# KiCad board kiwi_36.kicad_pcb
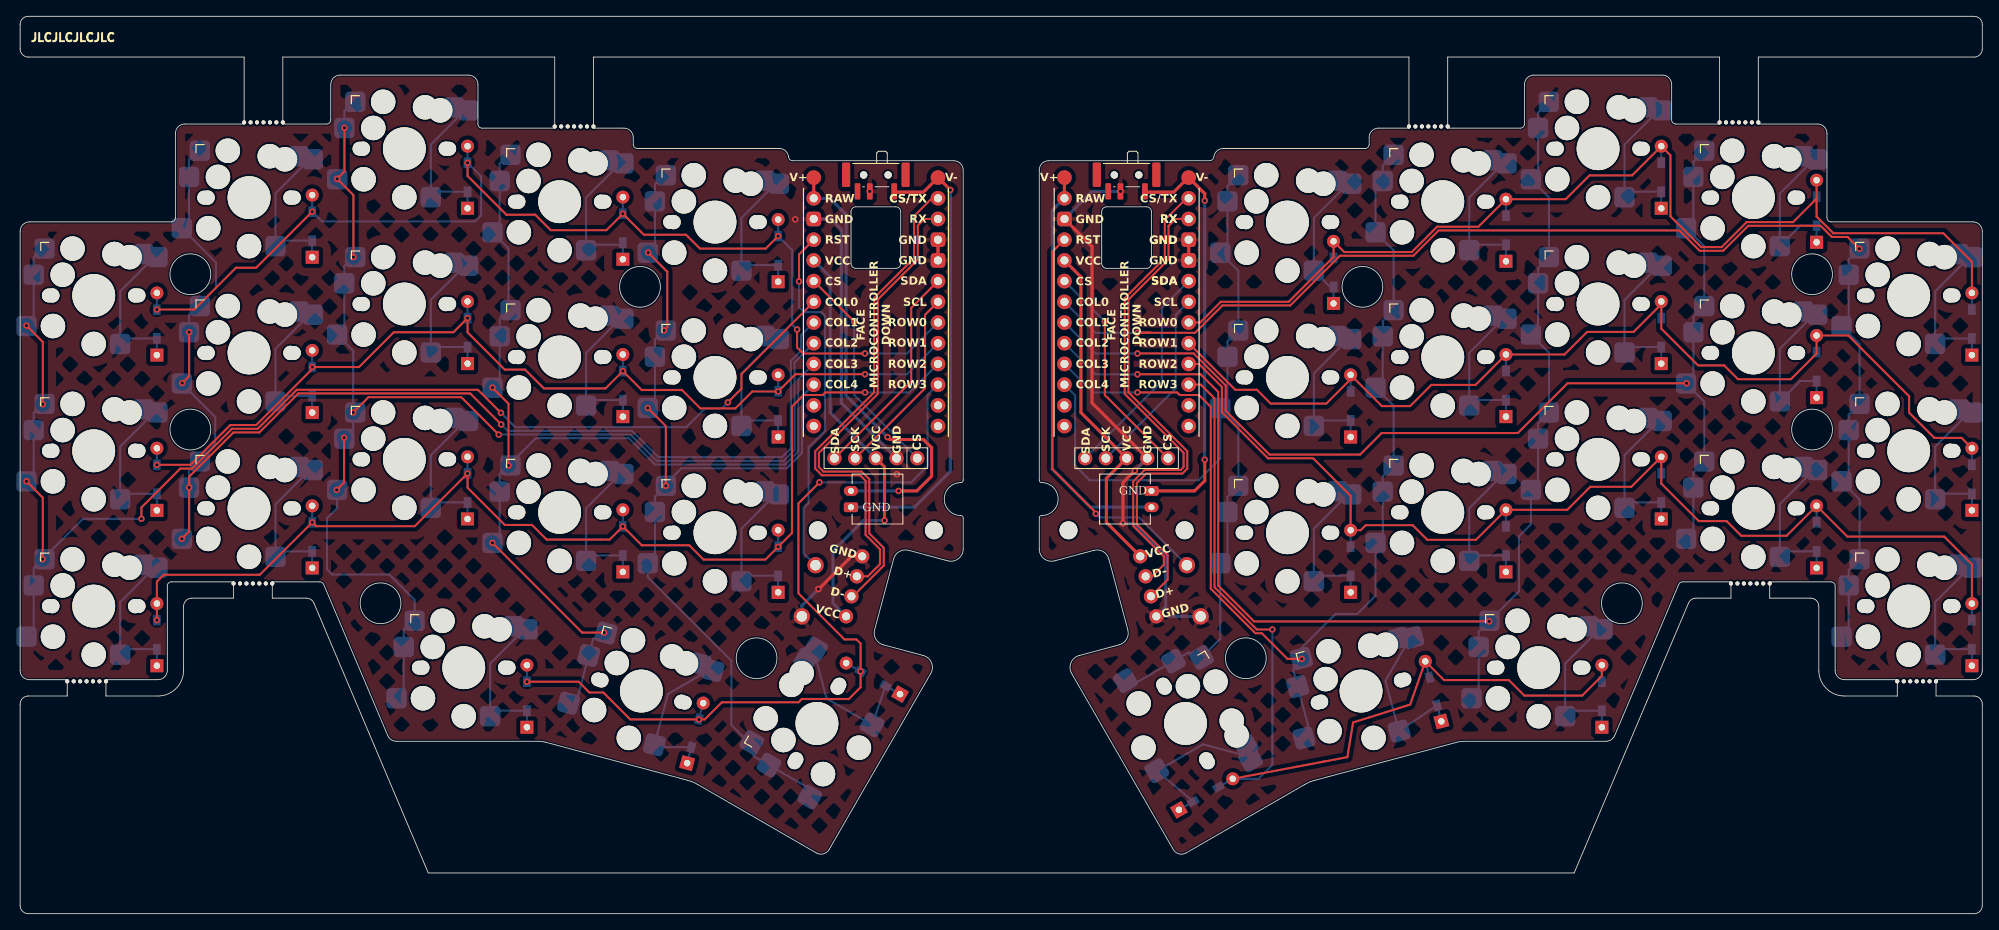
[diagram p0: board, top side]
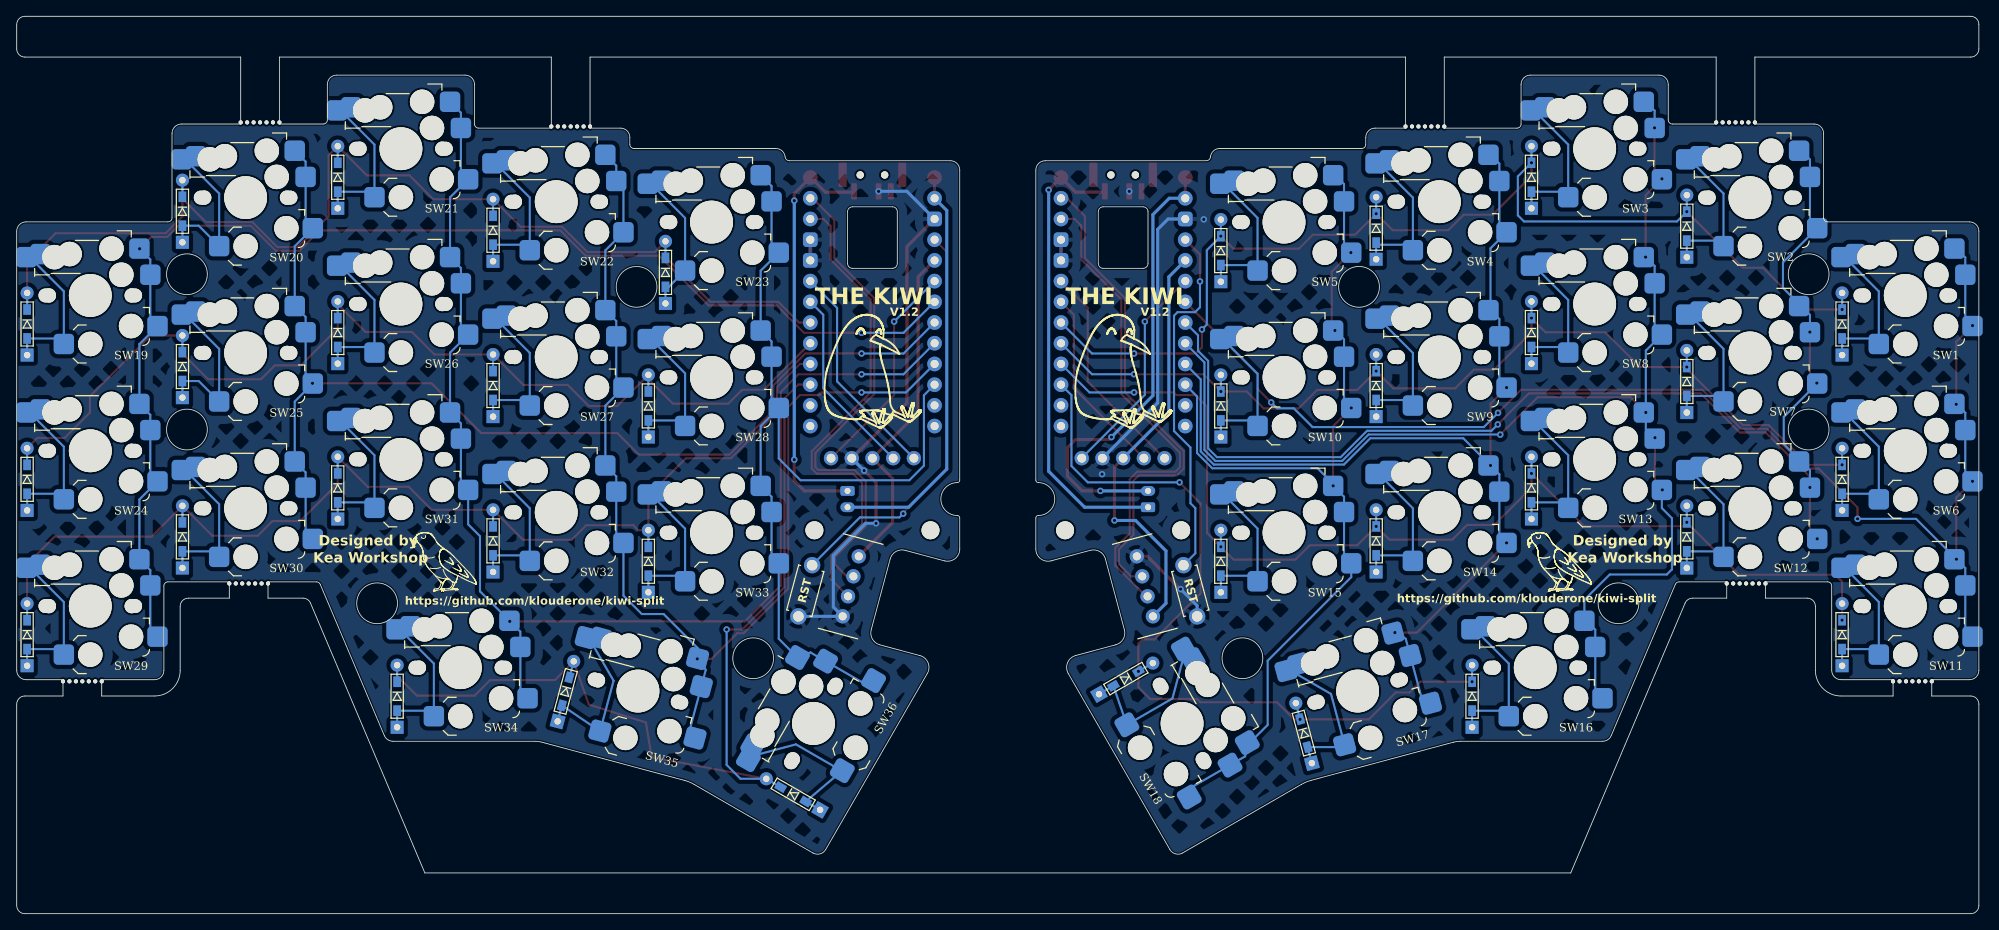
[diagram p1: board, bottom side, seen from below]

Outline 240.67 x 110.06 mm; copper layers: Top, Bottom. Coordinates in mm from the lower left corner of the outline.
Outline path: circle c20.88,78.43 r2.5 ; circle c20.88,59.38 r2.5 ; circle c44.2,38.07 r2.5 ; circle c76.03,76.88 r2.5 ; circle c90.33,31.33 r2.5 ; circle c150.34,31.33 r2.5 ; circle c164.64,76.88 r2.5 ; circle c196.46,38.07 r2.5 ; circle c219.79,78.43 r2.5 ; circle c219.79,59.38 r2.5 ; 0,109.06 0,106.06 arc(0.29,105.35) 1,105.06 27.47,105.06 27.47,96.85 20.2,96.85 arc(19.39,96.51) 19.05,95.7 19.05,85.35 arc(18.9,85) 18.55,84.85 1.15,84.85 arc(0.34,84.51) 0,83.7 0,29.85 arc(0.34,29.04) 1.15,28.7 5.78,28.7 5.78,26.7 1,26.7 arc(0.29,26.41) 0,25.7 0,1 arc(0.29,0.29) 1,0 239.67,0 arc(240.38,0.29) 240.67,1 240.67,25.7 arc(240.38,26.41) 239.67,26.7 234.99,26.7 234.99,28.7 239.52,28.7 arc(240.33,29.04) 240.67,29.85 240.67,83.7 arc(240.33,84.51) 239.52,84.85 222.12,84.85 arc(221.76,85) 221.62,85.35 221.62,95.7 arc(221.28,96.51) 220.47,96.85 213.2,96.85 213.2,105.06 239.67,105.06 arc(240.38,105.35) 240.67,106.06 240.67,109.06 arc(240.38,109.77) 239.67,110.06 1,110.06 arc(0.29,109.77) 0,109.06 ; 10.52,26.7 10.52,28.7 16.9,28.7 arc(17.71,29.04) 18.05,29.85 18.05,40.2 arc(18.2,40.55) 18.55,40.7 26.18,40.7 26.18,38.7 21.05,38.7 arc(20.34,38.41) 20.05,37.7 20.05,29.85 arc(19.13,27.62) 16.9,26.7 10.52,26.7 ; 30.93,40.7 30.93,38.7 35.11,38.7 arc(35.67,38.53) 36.03,38.09 50.06,5 190.61,5 204.63,38.09 arc(205,38.53) 205.55,38.7 209.84,38.7 209.84,40.7 203.9,40.7 arc(203.62,40.62) 203.44,40.39 195.58,21.85 arc(195.16,21.34) 194.52,21.15 177.11,21.15 arc(176.67,21.12) 176.24,21.04 158.77,16.36 arc(158.15,16.14) 157.57,15.86 143,7.45 arc(142.13,7.34) 141.44,7.87 128.98,29.46 arc(128.89,30.79) 129.89,31.66 134.8,32.98 arc(135.71,33.68) 135.86,34.81 133.53,43.51 arc(132.83,44.42) 131.7,44.57 126.89,43.28 arc(125.59,43.54) 125,44.73 125,48.54 arc(125.09,48.75) 125.3,48.84 arc(127.32,50.85) 125.3,52.87 arc(125.09,52.96) 125,53.17 125,91.2 arc(125.34,92.01) 126.15,92.35 145.92,92.35 arc(146.26,92.48) 146.42,92.8 arc(146.79,93.55) 147.56,93.85 164.97,93.85 arc(165.32,94) 165.47,94.35 165.47,95.2 arc(165.8,96.01) 166.62,96.35 170.35,96.35 170.35,105.06 70.32,105.06 70.32,96.35 74.05,96.35 arc(74.86,96.01) 75.2,95.2 75.2,94.35 arc(75.35,94) 75.7,93.85 93.11,93.85 arc(93.88,93.55) 94.25,92.8 arc(94.41,92.48) 94.75,92.35 114.52,92.35 arc(115.33,92.01) 115.67,91.2 115.67,53.17 arc(115.58,52.96) 115.37,52.87 arc(113.35,50.85) 115.37,48.84 arc(115.58,48.75) 115.67,48.53 115.67,44.73 arc(115.08,43.54) 113.78,43.28 108.97,44.57 arc(107.83,44.42) 107.13,43.51 104.8,34.81 arc(104.95,33.68) 105.87,32.98 110.78,31.66 arc(111.78,30.79) 111.69,29.46 99.23,7.87 arc(98.53,7.34) 97.67,7.45 83.1,15.86 arc(82.51,16.14) 81.89,16.36 64.43,21.04 arc(64,21.12) 63.56,21.15 46.15,21.15 arc(45.51,21.34) 45.09,21.85 37.23,40.39 arc(37.04,40.62) 36.77,40.7 30.93,40.7 ; 32.22,96.85 32.22,105.06 65.57,105.06 65.57,96.35 56.65,96.35 arc(56.3,96.5) 56.15,96.85 56.15,101.7 arc(55.81,102.51) 55,102.85 39.25,102.85 arc(38.44,102.51) 38.1,101.7 38.1,97.35 arc(37.95,97) 37.6,96.85 32.22,96.85 ; 101.91,86.1 arc(102.08,86.52) 102.51,86.7 107.41,86.7 arc(107.83,86.52) 108.01,86.1 108.01,79.75 arc(107.83,79.33) 107.41,79.15 102.51,79.15 arc(102.08,79.33) 101.91,79.75 101.91,86.1 ; 132.66,86.1 arc(132.83,86.52) 133.26,86.7 138.16,86.7 arc(138.58,86.52) 138.76,86.1 138.76,79.75 arc(138.58,79.33) 138.16,79.15 133.26,79.15 arc(132.83,79.33) 132.66,79.75 132.66,86.1 ; 175.1,105.06 208.45,105.06 208.45,96.85 203.07,96.85 arc(202.71,97) 202.57,97.35 202.57,101.7 arc(202.23,102.51) 201.42,102.85 185.67,102.85 arc(184.85,102.51) 184.52,101.7 184.52,96.85 arc(184.37,96.5) 184.02,96.35 175.1,96.35 175.1,105.06 ; 214.59,40.7 214.59,38.7 219.62,38.7 arc(220.33,38.41) 220.62,37.7 220.62,29.85 arc(221.54,27.62) 223.77,26.7 230.24,26.7 230.24,28.7 223.77,28.7 arc(222.95,29.04) 222.62,29.85 222.62,40.2 arc(222.47,40.55) 222.12,40.7 214.59,40.7

## Placement (name value [footprint] x y rotation side)
BT1  Breakaway Tabs  [Breakaway_Tabs]  29.85 97.05 0 top
BT2  Breakaway Tabs  [Breakaway_Tabs]  212.22 40.5 0 top
BT2#2  Breakaway Tabs  [Breakaway_Tabs]  67.95 96.55 0 top
BT2#3  Breakaway Tabs  [Breakaway_Tabs]  28.55 40.5 0 top
BT2#4  Breakaway Tabs  [Breakaway_Tabs]  232.62 28.5 0 top
BT2#5  Breakaway Tabs  [Breakaway_Tabs]  8.15 28.5 0 top
D1  D  [SMD SOD123 and Leaded]  16.78 72.32 270 bottom
D2  D  [SMD SOD123 and Leaded]  35.83 84.32 270 bottom
D3  D  [SMD SOD123 and Leaded]  54.88 90.32 270 bottom
D4  D  [SMD SOD123 and Leaded]  73.93 84.07 270 bottom
D5  D  [SMD SOD123 and Leaded]  92.98 81.32 270 bottom
D6  D  [SMD SOD123 and Leaded]  16.78 53.27 270 bottom
D7  D  [SMD SOD123 and Leaded]  35.83 65.27 270 bottom
D8  D  [SMD SOD123 and Leaded]  54.88 71.27 270 bottom
D9  D  [SMD SOD123 and Leaded]  73.93 64.77 270 bottom
D10  D  [SMD SOD123 and Leaded]  92.98 62.27 270 bottom
D11  D  [SMD SOD123 and Leaded]  16.78 34.22 270 bottom
D12  D  [SMD SOD123 and Leaded]  35.83 46.21 270 bottom
D13  D  [SMD SOD123 and Leaded]  54.88 52.22 270 bottom
D14  D  [SMD SOD123 and Leaded]  73.93 45.72 270 bottom
D15  D  [SMD SOD123 and Leaded]  92.98 43.22 270 bottom
D16  D  [SMD SOD123 and Leaded]  62.16 26.67 270 bottom
D17  D  [SMD SOD123 and Leaded]  82.8 22.15 255 bottom
D18  D  [SMD SOD123 and Leaded]  104.62 28.83 330 bottom
D19  D  [SMD SOD123 and Leaded]  239.39 72.32 270 bottom
D20  D  [SMD SOD123 and Leaded]  220.34 86.15 270 bottom
D21  D  [SMD SOD123 and Leaded]  201.29 90.32 270 bottom
D22  D  [SMD SOD123 and Leaded]  182.24 83.82 270 bottom
D23  D  [SMD SOD123 and Leaded]  161.1 78.65 270 bottom
D24  D  [SMD SOD123 and Leaded]  239.39 53.27 270 bottom
D25  D  [SMD SOD123 and Leaded]  220.34 67.1 270 bottom
D26  D  [SMD SOD123 and Leaded]  201.29 71.27 270 bottom
D27  D  [SMD SOD123 and Leaded]  182.24 64.77 270 bottom
D28  D  [SMD SOD123 and Leaded]  163.19 62.27 270 bottom
D29  D  [SMD SOD123 and Leaded]  239.39 34.22 270 bottom
D30  D  [SMD SOD123 and Leaded]  220.34 46.21 270 bottom
D31  D  [SMD SOD123 and Leaded]  201.29 52.22 270 bottom
D32  D  [SMD SOD123 and Leaded]  182.24 45.72 270 bottom
D33  D  [SMD SOD123 and Leaded]  163.19 43.22 270 bottom
D34  D  [SMD SOD123 and Leaded]  194.01 26.67 270 bottom
D35  D  [SMD SOD123 and Leaded]  173.34 27.27 285 bottom
D36  D  [SMD SOD123 and Leaded]  145.43 14.64 210 bottom
Display1  nice!view  [nice_view]  104.96 72.37 0 top
Display2  nice!view  [nice_view]  135.71 72.37 0 top
J3  S2B-PH-K-S(LF)(SN)  [PH_S2B-PH2-K_1x02_P2.00mm_Horizontal]  138.76 50.85 270 top
J4  S2B-PH-K-S(LF)(SN)  [PH_S2B-PH2-K_1x02_P2.00mm_Horizontal]  101.91 50.85 90 top
NOREF  -  [M2_Hole_TH_7mm_Standoff]  112.08 47.02 0 top
NOREF#2  -  [M2_Hole_TH_7mm_Standoff]  97.84 47.02 0 top
NOREF#3  -  [M2_Hole_TH_7mm_Standoff]  142.83 47.02 0 top
NOREF#4  -  [M2_Hole_TH_7mm_Standoff]  128.59 47.02 0 top
rBT1  Breakaway Tabs  [Breakaway_Tabs]  210.82 97.05 0 top
rBT2  Breakaway Tabs  [Breakaway_Tabs]  172.72 96.55 0 top
REF**  -  [Kea Workshop Logo]  51.46 43.12 180 bottom
REF**#2  -  [Kea Workshop Logo]  188.21 43.12 180 bottom
REF**#3  -  [Kea Workshop Logo]  188.21 43.12 180 bottom
RSW1  SW_PUSH  [ResetSW_1side]  96.72 39.6 75 bottom
RSW2  SW_PUSH  [ResetSW_1side]  143.95 39.6 105 bottom
SW1  SW_PUSH  [SW_MXchocGLP_HS_1u]  9.03 75.82 0 bottom
SW2  SW_PUSH  [SW_MXchocGLP_HS_1u]  28.08 87.82 0 bottom
SW3  SW_PUSH  [SW_MXchocGLP_HS_1u]  47.13 93.82 0 bottom
SW4  SW_PUSH  [SW_MXchocGLP_HS_1u]  66.18 87.32 0 bottom
SW5  SW_PUSH  [SW_MXchocGLP_HS_1u]  85.23 84.82 0 bottom
SW6  SW_PUSH  [SW_MXchocGLP_HS_1u]  9.03 56.77 0 bottom
SW7  SW_PUSH  [SW_MXchocGLP_HS_1u]  28.08 68.77 0 bottom
SW8  SW_PUSH  [SW_MXchocGLP_HS_1u]  47.13 74.77 0 bottom
SW9  SW_PUSH  [SW_MXchocGLP_HS_1u]  66.18 68.27 0 bottom
SW10  SW_PUSH  [SW_MXchocGLP_HS_1u]  85.23 65.77 0 bottom
SW11  SW_PUSH  [SW_MXchocGLP_HS_1u]  9.03 37.72 0 bottom
SW12  SW_PUSH  [SW_MXchocGLP_HS_1u]  28.08 49.71 0 bottom
SW13  SW_PUSH  [SW_MXchocGLP_HS_1u]  47.13 55.72 0 bottom
SW14  SW_PUSH  [SW_MXchocGLP_HS_1u]  66.18 49.22 0 bottom
SW15  SW_PUSH  [SW_MXchocGLP_HS_1u]  85.23 46.72 0 bottom
SW16  SW_PUSH  [SW_MXchocGLP_HS_1u]  54.41 30.17 0 bottom
SW17  SW_PUSH  [SW_MXchocGLP_HS_1u]  76.2 27.31 345 bottom
SW18  SW_PUSH  [SW_MXchocGLP_HS_1u]  97.73 23.33 60 bottom
SW19  SW_PUSH  [SW_MXchocGLP_HS_1u]  231.64 75.82 0 bottom
SW20  SW_PUSH  [SW_MXchocGLP_HS_1u]  212.59 87.82 0 bottom
SW21  SW_PUSH  [SW_MXchocGLP_HS_1u]  193.54 93.82 0 bottom
SW22  SW_PUSH  [SW_MXchocGLP_HS_1u]  174.49 87.32 0 bottom
SW23  SW_PUSH  [SW_MXchocGLP_HS_1u]  155.44 84.82 0 bottom
SW24  SW_PUSH  [SW_MXchocGLP_HS_1u]  231.64 56.77 0 bottom
SW25  SW_PUSH  [SW_MXchocGLP_HS_1u]  212.59 68.77 0 bottom
SW26  SW_PUSH  [SW_MXchocGLP_HS_1u]  193.54 74.77 0 bottom
SW27  SW_PUSH  [SW_MXchocGLP_HS_1u]  174.49 68.27 0 bottom
SW28  SW_PUSH  [SW_MXchocGLP_HS_1u]  155.44 65.77 0 bottom
SW29  SW_PUSH  [SW_MXchocGLP_HS_1u]  231.64 37.72 0 bottom
SW30  SW_PUSH  [SW_MXchocGLP_HS_1u]  212.59 49.71 0 bottom
SW31  SW_PUSH  [SW_MXchocGLP_HS_1u]  193.54 55.72 0 bottom
SW32  SW_PUSH  [SW_MXchocGLP_HS_1u]  174.49 49.22 0 bottom
SW33  SW_PUSH  [SW_MXchocGLP_HS_1u]  155.44 46.72 0 bottom
SW34  SW_PUSH  [SW_MXchocGLP_HS_1u]  186.26 30.17 0 bottom
SW35  SW_PUSH  [SW_MXchocGLP_HS_1u]  164.47 27.31 15 bottom
SW36  SW_PUSH  [SW_MXchocGLP_HS_1u]  142.94 23.33 300 bottom
SW37  PCM12SMTR  [MSK-12C02 Toggle Switch]  104.96 90.27 180 top
SW38  PCM12SMTR  [MSK-12C02 Toggle Switch]  135.71 90.27 180 top
U1  Universal_Pro_Micro  [Pro_Micro_Footprint_Kiwi]  104.96 73.77 0 top
U2  Universal_Pro_Micro  [Pro_Micro_Footprint_Kiwi]  135.71 73.77 0 top
USB1  USB_C  [USB C Daugher Board#2]  102.4 46.34 345 top
USB2  USB_C  [USB C Daugher Board]  138.27 46.34 195 top

## Library data of the parts
BT1 BT2 BT2#2-BT2#5 rBT1 rBT2 = -: Description: Mounting Hole without connection
D1-D36 = -: ki_fp_filters: TO-???* *_Diode_* *SingleDiode* D_*
Display1 Display2 = -: Datasheet: https://nicekeyboards.com/docs/nice-view/pinout-schematic; ki_fp_filters: nice*
J3 J4 = -: MF: JST Sales; MAXIMUM_PACKAGE_HEIGHT: 4.8mm; PACKAGE: None; PRICE: None; MP: S2B-PH-K-S_LF__SN_; AVAILABILITY: Unavailable; DESCRIPTION: Connector Header Through Hole, Right Angle 2 position
RSW1 RSW2 SW1-SW36 = -: Description: Push button switch, generic, two pins
SW37 SW38 = -: STANDARD: Manufacturer Recommendation; MANUFACTURER: C&K
U1 U2 = -: Datasheet: https://nicekeyboards.com/docs/nice-nano/pinout-schematic; Description: Symbol for an nicekeyboards nice!nano

## Footprints (pads in the part's own frame, mm; a bottom-side part is the same pattern mirrored in y, then rotated)
Breakaway_Tabs
  round 0.5 hole 0.5 unplated: (-2.375,0) (-1.583,0) (-0.792,0) (0,0) (0.792,0) (1.583,0) (2.375,0)
M2_Hole_TH_7mm_Standoff
  round 2.2 hole 2.2 unplated: (0,0)
MSK-12C02 Toggle Switch
  rrect 1x3 smd: (-3.65,-0.35) (3.65,-0.35)
  round 0.9 hole 0.9 unplated: (-1.5,-0.33) (1.5,-0.33)
  rrect 0.7x2 smd: 1(-2.25,1.68) 2(0.75,1.68) 3(2.25,1.68)
nice_view
  round 1.753 hole 1.092: 1(-5.08,-16.51) 2(-2.54,-16.51) 3(0,-16.51) 4(2.54,-16.51) 5(5.08,-16.51)
PH_S2B-PH2-K_1x02_P2.00mm_Horizontal
  rrect 1.2x1.75 hole 0.75: 1(-1,0)
  oval 1.2x1.75 hole 0.75: 2(1,0)
Pro_Micro_Footprint_Kiwi
  round 1.8 hole 1: 1(7.62,13.97) 2(7.62,11.43) 5(7.62,3.81) 6(7.62,1.27) 7(7.62,-1.27) 8(7.62,-3.81) 9(7.62,-6.35) 10(7.62,-8.89) 11(7.62,-11.43) 12(7.62,-13.97) 13(-7.62,13.97) 15(-7.62,8.89) 16(-7.62,6.35) 17(-7.62,3.81) 18(-7.62,1.27) 19(-7.62,-1.27) 20(-7.62,-3.81) 21(-7.62,-6.35) 22(-7.62,-8.89) 23(-7.62,-11.43) 24(-7.62,-13.97)
  rrect 1.8x1.8 hole 1: 3(7.62,8.89) 4(7.62,6.35) 14(-7.62,11.43)
  round 1.8 smd: 25(-7.62,16.51) 26(7.62,16.51)
ResetSW_1side
  round 2 hole 1.3: 1(3.25,0) 2(-3.25,0)
SMD SOD123 and Leaded
  oval 1.6x1.6 hole 0.8: 1(-3.81,0)
  rect 1.3x0.95 smd: 1(-1.775,0) 2(1.775,0)
  rect 1.6x1.6 hole 0.8: 2(3.81,0)
SW_MXchocGLP_HS_1u
  round 1.7 hole 1.7 unplated: (-5.5,0) (5.5,0)
  round 1.75 hole 1.75 unplated: (-5.08,0) (5.08,0)
  round 3 hole 3 unplated: (-5,3.75) (-3.81,-2.54) (-2.6,-5.75) (0,5.95) (2.54,-5.08) (4.4,-4.7)
  round 5.25 hole 5.25 unplated: (0,0)
  rrect 2.5x2.5 smd: 1(-8.245,3.75) 1(-7.36,-2.54) 1(-6.025,-5.75) 2(3.245,5.95) 2(6.09,-5.08) 2(7.825,-4.7)
USB C Daugher Board
  round 1.75 hole 1: 1(1.5,9.81) 2(1.5,7.27) 3(1.5,4.73) 4(1.5,2.19)
USB C Daugher Board#2
  round 1.75 hole 1: 1(1.5,-2.19) 2(1.5,-4.73) 3(1.5,-7.27) 4(1.5,-9.81)

## Nets
GND: Display1.4 RSW1.2 SW37.2 U1.3 U1.4 U1.14 USB1.1
GNDR: Display2.4 RSW2.2 SW38.2 U2.3 U2.4 U2.14 USB2.1
VCC: Display1.3 U1.16 USB1.4
VCCR: Display2.3 U2.16 USB2.4
B+: J4.2 U1.13 U1.25
B+R: J3.2 U2.13 U2.25
B-: J4.1 SW37.1 U1.26
B-R: J3.1 SW38.1 U2.26
col0: SW1.1 SW6.1 SW11.1 U1.18
col0R: SW19.1 SW24.1 SW29.1 U2.18
col1: SW2.1 SW7.1 SW12.1 U1.19
col1R: SW20.1 SW25.1 SW30.1 U2.19
col2: SW3.1 SW8.1 SW13.1 SW16.1 U1.20
col2R: SW21.1 SW26.1 SW31.1 SW34.1 U2.20
col3: SW4.1 SW9.1 SW14.1 SW17.1 U1.21
col3R: SW22.1 SW27.1 SW32.1 SW35.1 U2.21
col4: SW5.1 SW10.1 SW15.1 SW18.1 U1.22
col4R: SW23.1 SW28.1 SW33.1 SW36.1 U2.22
CSL: Display1.5 U1.17
CSR: Display2.5 U2.17
DL+: U1.1 USB1.2
DL-: U1.2 USB1.3
DR+: U2.2 USB2.2
DR-: U2.1 USB2.3
MOSI: Display1.1 U1.5
MOSIR: Display2.1 U2.5
reset: RSW1.1 U1.15
resetR: RSW2.1 U2.15
row0: D1.1 D2.1 D3.1 D4.1 D5.1 U1.7
row0R: D19.1 D20.1 D21.1 D22.1 D23.1 U2.7
row1: D6.1 D7.1 D8.1 D9.1 D10.1 U1.8
row1R: D24.1 D25.1 D26.1 D27.1 D28.1 U2.8
row2: D11.1 D12.1 D13.1 D14.1 D15.1 U1.9
row2R: D29.1 D30.1 D31.1 D32.1 D33.1 U2.9
row3: D16.1 D17.1 D18.1 U1.10
row3R: D34.1 D35.1 D36.1 U2.10
SCK: Display1.2 U1.6
SCKR: Display2.2 U2.6
Net-(D1-A): D1.2 SW1.2
Net-(D2-A): D2.2 SW2.2
Net-(D3-A): D3.2 SW3.2
Net-(D4-A): D4.2 SW4.2
Net-(D5-A): D5.2 SW5.2
Net-(D6-A): D6.2 SW6.2
Net-(D7-A): D7.2 SW7.2
Net-(D8-A): D8.2 SW8.2
Net-(D9-A): D9.2 SW9.2
Net-(D10-A): D10.2 SW10.2
Net-(D11-A): D11.2 SW11.2
Net-(D12-A): D12.2 SW12.2
Net-(D13-A): D13.2 SW13.2
Net-(D14-A): D14.2 SW14.2
Net-(D15-A): D15.2 SW15.2
Net-(D16-A): D16.2 SW16.2
Net-(D17-A): D17.2 SW17.2
Net-(D18-A): D18.2 SW18.2
Net-(D19-A): D19.2 SW19.2
Net-(D20-A): D20.2 SW20.2
Net-(D21-A): D21.2 SW21.2
Net-(D22-A): D22.2 SW22.2
Net-(D23-A): D23.2 SW23.2
Net-(D24-A): D24.2 SW24.2
Net-(D25-A): D25.2 SW25.2
Net-(D26-A): D26.2 SW26.2
Net-(D27-A): D27.2 SW27.2
Net-(D28-A): D28.2 SW28.2
Net-(D29-A): D29.2 SW29.2
Net-(D30-A): D30.2 SW30.2
Net-(D31-A): D31.2 SW31.2
Net-(D32-A): D32.2 SW32.2
Net-(D33-A): D33.2 SW33.2
Net-(D34-A): D34.2 SW34.2
Net-(D35-A): D35.2 SW35.2
Net-(D36-A): D36.2 SW36.2

Pads without a net: SW37 3; SW38 3; U1 11 12 23 24; U2 11 12 23 24

## Via types
v1: diameter 0.8, hole 0.4, Top to Bottom, 76 vias

## Routing (per net, layer and track width the routed paths; a pad name or vN(x,y) marks a point on that pad's centre or on a via; arc(x,y) is an arc through that point)
GND: length 49.1
  Top w0.254: 95.91,36.46 RSW1.2
  Top w0.381: 97.96,39.81 98.25,40.09 ; 97.96,39.81 101.98,43.83 USB1.1 ; 97.96,39.81 v1(97.91,39.81) ; 104.21,88.74 104.1,88.35 104.21,88.36 ; U1.3 U1.4
  Bottom w0.381: v1(97.91,39.81) 95.88,37.78 RSW1.2 ; U1.4 112.46,80.12 ; 107.1,56.26 100.73,62.64 100.73,83.92 99.44,85.2 U1.14
  vias: v1(95.07,85.15) v1(104.21,88.59) v1(107.55,53.9)
GNDR: length 74.3
  Top w0.254: 139.7,36.13 USB2.1 139.37,36.46
  Top w0.381: 137.85,56.26 131.48,62.64 131.48,81.82 U2.14 ; U2.4 U2.3 ; v1(136.73,54.34) 135.27,52.88 v1(135.27,47.88) 135.27,47.72
  Bottom w0.381: v1(134.96,88.59) 131.48,88.59 U2.14 ; RSW2.2 144.78,36.47 USB2.1 140.51,37.62 140.51,43.93 136.56,47.88 v1(135.27,47.88) ; v1(136.73,54.34) Display2.4 138.25,56.26
VCC: length 51.5
  Top w0.381: Display1.3 106.02,54.8 v1(106.02,48.23)
  Bottom w0.381: 104.56,56.26 99.36,61.47 99.36,78.11 U1.16 ; USB1.4 99.71,38.07 99.71,44.5 103.43,48.23 v1(106.02,48.23)
VCCR: length 42.2
  Top w0.381: USB2.4 133.24,47.98 133.24,53.39 Display2.3 130.11,61.47 130.11,78.11 U2.16
B+: length 56.8
  Top w0.381: v1(107.75,51.85) 110,51.85 111.8,53.65 111.8,57.15 110.8,58.15 106.7,58.15 v1(106.4,58.45) ; U1.25 U1.13
  Bottom w0.381: v1(107.75,51.85) J4.2 ; U1.13 99.3,87.74 101.31,85.74 101.31,63.54 v1(106.4,58.45)
B+R: length 50.5
  Top w0.381: U2.25 U2.13
  Bottom w0.381: J3.2 131.27,49.85 126.6,54.53 126.6,86.25 U2.13
B-: length 56.8
  Top w0.254: 107.21,88.74 107.26,88.69
  Top w0.381: v1(114.1,88.77) U1.26 110.79,88.49 107.21,88.49
  Bottom w0.381: v1(114.1,88.77) 114.1,54.26 109.69,49.85 J4.1
B-R: length 52
  Top w0.254: 138.04,88.67 137.96,88.74
  Top w0.381: J3.1 144.05,51.85 145.3,53.1 v1(145.3,55.69) ; v1(145.3,87.45) 145.3,88.32 U2.26 143.28,90.28 141.49,88.49 137.96,88.49 ; 137.96,87.99 137.96,88.74
  Bottom w0.381: v1(145.3,55.69) v1(145.3,87.45)
col0: length 165.4
  Top w0.254: v1(86.8,62.71) 88.47,64.38 88.47,66.17 U1.18 ; v1(58.98,61.43) 56.14,64.26 33.93,64.26 29.14,59.48 25.97,59.48 21.09,54.6 19.65,54.6 14.88,49.82 v1(14.88,48.43) ; v1(0.78,53.03) 2.78,51.03 2.78,43.5 v1(2.75,43.47) 2.82,43.47 ; v1(2.78,62.48) 2.78,70.13 v1(0.78,72.13)
  Bottom w0.254: v1(86.8,62.71) 86.07,61.98 84.03,61.98 81.72,59.68 60.72,59.68 v1(58.98,61.43) ; SW1.1 v1(0.78,72.13) 0.84,72.13 1.67,72.96 SW1.1 1.67,80.49 2.75,81.57 ; SW11.1 1.67,34.86 SW11.1 1.67,42.39 v1(2.75,43.47) 7.71,48.43 v1(14.88,48.43) ; SW6.1 v1(0.78,53.03) 0.79,53.03 1.67,53.91 SW6.1 1.67,61.44 2.71,62.48 v1(2.78,62.48) 2.78,62.55 2.75,62.52
col0R: length 161.5
  Top w0.254: v1(225.6,81.55) 224.15,83 222.21,83 220.84,84.37 211.95,84.37 208.88,81.3 206.01,81.3 203.51,83.8 173.98,83.8 170.88,80.7 161.88,80.7 155.78,74.6 147.46,74.6 144.11,71.24 v1(137.05,71.24) 137.08,71.28 138.68,71.28
  Bottom w0.254: SW24.1 225.62,69.85 SW19.1 224.28,72.96 SW19.1 224.28,80.24 225.6,81.55 v1(225.6,81.55) 225.6,81.55 SW19.1 ; U2.18 131.89,71.24 v1(137.05,71.24) ; SW29.1 224.28,34.86 SW29.1 224.28,42.14 SW29.1 225.62,50.8 SW24.1 224.28,53.91 SW24.1 224.28,61.19 225.55,62.45
col1: length 155.1
  Top w0.254: v1(19.83,45.98) 20.73,46.88 v1(20.73,52.28) 20.73,53.6 26.16,59.02 29.33,59.02 34.12,63.81 55.2,63.81 v1(59,60) ; v1(20.73,71.33) 20.73,65.93 v1(19.88,65.08)
  Bottom w0.254: v1(59,60) 59.78,59.23 75.04,59.23 78.27,55.99 93.46,55.99 94.53,57.07 94.53,67.8 95.78,69.04 95.78,70.94 U1.19 ; SW7.1 19.78,65.08 v1(19.88,65.08) 19.88,64.98 23.93,60.93 23.93,57.59 20.72,54.38 20.72,52.29 v1(20.73,52.28) 20.72,52.27 SW12.1 ; 21.8,93.57 20.72,92.49 SW2.1 20.72,84.96 SW2.1 24.03,79.88 24.03,76.75 20.72,73.44 20.72,71.34 v1(20.73,71.33) 20.72,71.32 SW7.1
col1R: length 140.7
  Top w0.254: v1(204.4,65.05) 189.8,65.05 183.7,58.95 167,58.95 164.35,56.3 153.25,56.3 147.87,61.68 147.87,64.79 143.93,68.72 137.06,68.72 v1(137.05,68.7)
  Bottom w0.254: v1(137.05,68.7) 131.89,68.7 U2.19 ; SW30.1 205.23,46.85 SW30.1 205.23,54.13 SW30.1 206.57,62.8 SW25.1 204.38,65.05 v1(204.4,65.05) 204.4,65.07 205.23,65.91 SW25.1 205.23,73.19 SW25.1 206.57,74.53 206.6,74.55 206.57,74.58 206.57,81.85 SW20.1 205.23,84.96 SW20.1 205.23,92.24 SW20.1
col2: length 160.5
  Top w0.254: v1(58.7,58.75) 54.11,63.35 42.73,63.35 v1(40.85,61.47) ; v1(39.73,58.38) 39.73,52.88 v1(38.83,51.98) ; v1(39.78,96.38) 39.78,91.03 v1(38.88,90.13) 40.88,88.13 v1(40.88,80.53)
  Bottom w0.254: 48.14,35.92 47.05,34.84 SW16.1 47.05,27.31 SW16.1 ; SW3.1 39.77,96.37 v1(39.78,96.38) 39.77,96.39 39.77,98.49 40.85,99.57 ; 40.85,80.52 40.88,80.55 v1(40.88,80.53) 40.86,80.53 39.77,79.44 SW8.1 39.77,71.91 SW8.1 40.85,69.05 v1(40.85,61.47) 40.85,59.35 39.88,58.38 v1(39.73,58.38) 39.73,58.23 SW13.1 ; 38.83,52.03 v1(38.83,51.98) 38.88,51.98 SW13.1 38.88,49.74 37.65,48.5 37.65,42.23 38.27,41.6 45.27,41.6 48.39,38.49 SW16.1 ; U1.20 94.99,67.61 94.99,56.88 93.64,55.54 78.09,55.54 74.85,58.77 58.72,58.77 v1(58.7,58.75) ; SW3.1 v1(38.88,90.13) 38.94,90.13
col2R: length 160.9
  Top w0.254: v1(137.05,66.15) 144.8,66.15 146.95,64 146.95,40.24 151.34,35.85 v1(180.2,35.85)
  Bottom w0.254: SW21.1 186.18,98.24 SW21.1 186.18,90.96 SW21.1 187.52,87.85 SW26.1 186.18,79.19 SW26.1 186.18,71.91 SW26.1 187.52,68.8 SW31.1 186.18,60.14 SW31.1 186.18,52.86 SW31.1 185.3,47.76 183.85,46.3 183.85,39.54 SW34.1 180.2,35.89 v1(180.2,35.85) 180.16,35.85 178.9,34.59 SW34.1 178.9,27.31 SW34.1 ; U2.20 131.9,66.15 v1(137.05,66.15)
col3: length 129.5
  Top w0.254: v1(71.63,34.48) 68.93,34.48 v1(57.93,45.48) ; v1(57.93,64.52) 59.9,62.55 v1(59.9,54.97)
  Bottom w0.254: v1(57.93,64.52) 58.82,65.41 SW9.1 58.82,72.94 59.9,74.02 59.9,81.6 57.93,83.57 58.82,84.46 SW4.1 58.82,91.99 59.9,93.07 ; 57.93,45.47 SW14.1 v1(57.93,45.48) 57.94,45.48 58.82,46.36 SW14.1 58.82,53.89 v1(59.9,54.97) 63.24,58.32 74.64,58.32 77.88,55.08 93.83,55.08 95.44,56.69 95.44,65.53 U1.21 ; 71.63,34.48 v1(71.63,34.48) 70.3,33.72 SW17.1 68.35,26.44
col3R: length 138
  Top w0.254: v1(137.05,63.93) 141.91,63.93 142.22,63.61 144.58,63.61 146.04,62.15 146.04,39.87 151.51,34.4 152.3,34.4 155.44,31.25 v1(157.2,31.25)
  Bottom w0.254: U2.21 131.58,63.93 v1(137.05,63.93) ; SW22.1 167.13,91.74 SW22.1 166.25,88.98 SW22.1 168.47,81.35 SW27.1 167.13,72.69 SW27.1 167.13,65.41 SW27.1 168.47,62.3 SW32.1 167.13,53.64 SW32.1 167.13,46.36 SW32.1 166.25,39.01 164,36.75 161.32,36.75 157.16,32.59 v1(157.2,31.25) SW35.1 ; 158.1,22.63 SW35.1 156.15,29.91 156.92,31.23
col4: length 117.6
  Top w0.254: v1(76.98,62.02) 79.2,59.8 v1(79.2,52.47) ; v1(78.98,71.53) 79.38,71.93 79.38,78.73 v1(77.03,81.08)
  Bottom w0.254: 78.95,90.57 77.87,89.49 SW5.1 77.87,81.96 77.03,81.12 v1(77.03,81.08) 76.99,81.08 SW5.1 ; SW18.1 96.53,15.52 SW18.1 90.01,19.29 89.61,20.77 87.23,23.15 87.23,31.03 76.98,41.28 SW15.1 77.87,43.86 SW15.1 77.87,51.14 v1(79.2,52.47) 79.2,52.72 81.11,54.63 94.02,54.63 95.9,56.5 95.9,63.44 U1.22 ; 78.95,71.52 78.98,71.55 v1(78.98,71.53) 78.96,71.53 77.87,70.44 SW10.1 77.87,62.91 v1(76.98,62.02)
col4R: length 110.7
  Bottom w0.254: U2.22 129.4,63.58 129.4,54.95 131.19,53.16 144.53,53.16 147.2,55.83 SW28.1 ; SW28.1 148.08,62.91 SW28.1 148.08,70.19 SW28.1 149.42,78.85 SW23.1 148.08,81.96 SW23.1 148.08,89.24 SW23.1 ; SW28.1 149.42,59.8 SW33.1 148.08,51.14 SW33.1 148.08,43.86 SW33.1 147.2,33.71 SW36.1 144.46,30.97 ; 136.78,28.27 SW36.1 143.3,32.04 144.78,31.64
CSL: length 26.4
  Top w0.254: v1(102.3,72.63) U1.17
  Bottom w0.254: v1(102.3,72.63) 102.3,63.63 109.67,56.26
CSR: length 26.4
  Top w0.254: 140.39,56.26 133.05,63.61 v1(133.05,72.63)
  Bottom w0.254: v1(133.05,72.63) U2.17
DL+: length 61.1
  Top w0.254: 111.84,87.74 109.65,85.56 109.65,80.42 104.73,75.5 104.73,63.93 97.52,56.72 97.52,54.59 98.34,53.77 103.03,53.77 103.7,53.11 103.7,46.46 105.47,44.69 105.47,42.87 103.97,41.38 USB1.2
  Bottom w0.254: U1.1 111.84,87.74
DL-: length 61.5
  Top w0.254: U1.2 110.92,85.2 110.1,84.39 110.1,80.23 105.19,75.31 105.19,63.74 97.97,56.53 97.97,54.78 98.53,54.22 103.22,54.22 104.15,53.29 104.15,46.65 105.92,44.88 105.92,42.68 102.16,38.92
  Bottom w0.254: U1.2 112.58,84.63
DR+: length 60.8
  Top w0.254: U2.2 141.71,85.2 140.85,84.35 140.85,80.23 135.94,75.31 135.94,63.93 143.15,56.72 143.15,54.59 142.53,53.97 138.11,53.97 136.97,52.83 136.97,47.76 140.74,43.99 140.74,40.96 USB2.2
DR-: length 60.1
  Top w0.254: 143.06,87.74 140.4,85.09 140.4,80.42 135.48,75.5 135.48,63.75 142.7,56.53 142.7,54.78 142.35,54.42 137.92,54.42 136.52,53.02 136.52,47.57 140.29,43.81 140.29,42.8 138.86,41.38
  Bottom w0.254: 143.06,87.74 U2.1
MOSI: length 26.4
  Top w0.254: U1.5 109.3,74.3 109.3,65.28 100.28,56.26
MOSIR: length 27
  Bottom w0.254: U2.5 140.05,74.3 140.05,65.28 Display2.1
reset: length 44.9
  Top w0.254: v1(95.54,77.54) 95.54,80.86 U1.15
  Bottom w0.254: v1(95.54,77.54) 95.54,74.37 96.14,73.77 98.29,73.77 98.72,73.34 98.72,59.19 96.71,57.18 96.71,50.34 96.11,49.74 96.11,44.2 RSW1.1
resetR: length 50.2
  Top w0.254: U2.15 126.6,81.17 126.6,54.53 131.94,49.19 v1(131.94,49.06)
  Bottom w0.254: v1(131.94,49.06) 132.39,48.6 137.25,48.6 RSW2.1
row0: length 142.4
  Top w0.254: v1(95.3,71.65) 95.3,69.45 96.05,68.7 v1(103.62,68.7) ; v1(16.78,74.1) 21.35,74.1 26.48,79.23 28.96,79.23 v1(35.83,86.1) ; v1(92.98,83.1) 91.46,81.58 83.38,81.58 81.68,83.28 76.5,83.28 v1(73.93,85.85) 71.91,83.83 65.08,83.83 63.18,85.73 59.63,85.73 54.88,90.48 v1(54.88,92.1)
  Bottom w0.254: v1(73.93,85.85) 73.93,87.63 ; D5.1 v1(92.98,83.1) 94.7,81.38 94.7,72.25 v1(95.3,71.65) 95.05,71.9 ; v1(16.78,74.1) D1.1 ; v1(103.62,68.7) 108.78,68.7 U1.7 ; D2.1 v1(35.83,86.1) 37.02,84.9 55.8,84.9 56.55,85.65 56.55,90.43 v1(54.88,92.1) D3.1
row0R: length 140
  Top w0.254: 220.34,87.7 220.34,85.51 222.4,83.45 235.9,83.45 239.39,79.96 D19.1 ; 220.34,87.7 217.46,84.82 211.76,84.82 208.7,81.75 206.2,81.75 202.42,85.53 202.42,93.01 D21.1 197.71,90.55 192.5,90.55 189.58,87.63 D22.1 178.86,84.25 173.8,84.25 170.7,81.15 162.41,81.15 D23.1 161.1,80.55 155.6,75.05 147.27,75.05 144.72,72.5 U2.7 ; 220.34,87.7 D20.1
  Bottom w0.254: D23.1 D23.1 ; D19.1 D19.1 ; D20.1 D20.1 ; D22.1 D22.1 ; D21.1 D21.1
row1: length 124.3
  Top w0.254: v1(103.62,66.16) 95.09,66.16 v1(92.98,64.05) 89.8,64.05 87.73,61.98 83.43,61.98 81.18,64.23 76.25,64.23 v1(73.93,66.55) 71.81,64.43 64.23,64.43 61.93,66.73 59.45,66.73 54.88,71.3 v1(54.88,73.05) 53.13,71.3 45.82,71.3 41.57,67.05 v1(35.83,67.05) 35.83,66.8 28.96,59.93 25.78,59.93 20.9,55.05 v1(16.78,55.05)
  Bottom w0.254: v1(103.62,66.16) 108.78,66.16 U1.8 ; v1(35.83,67.05) D7.1 ; v1(16.78,55.05) D6.1 ; v1(73.93,66.55) D9.1 ; v1(92.98,64.05) D10.1 ; v1(54.88,73.05) D8.1
row1R: length 134.5
  Top w0.254: U2.8 149.04,64.25 151.7,64.25 153.4,62.55 160.2,62.55 163.19,65.55 D28.1 167.02,62.25 170.5,62.25 173.1,64.85 178.51,64.85 D27.1 189.43,68.58 192.2,71.35 197.9,71.35 201.29,74.75 D26.1 201.29,71.76 205.8,67.25 209,67.25 210.7,65.55 217.2,65.55 220.34,68.7 D25.1 224.24,70.91 231.7,63.45 231.7,61.45 234.8,58.35 238.12,58.35 D24.1
  Bottom w0.254: D28.1 D28.1 ; D24.1 D24.1 ; D26.1 D26.1 ; 220.34,68.88 D25.1 ; D27.1 D27.1
row2: length 140.3
  Top w0.254: v1(16.78,36) 16.78,40.73 17.62,41.57 29.39,41.57 v1(35.83,48) 36.3,47.53 48.4,47.53 v1(54.88,54) 54.88,52.25 59.45,47.68 62.78,47.68 64.58,45.88 72.31,45.88 v1(73.93,47.5) 76.25,45.18 82.08,45.18 83.83,43.43 91.41,43.43 v1(92.98,45) 94.67,46.69 94.67,62.2 96.09,63.61 98.44,63.61 98.76,63.93 v1(103.62,63.93)
  Bottom w0.254: v1(73.93,47.5) D14.1 ; v1(92.98,45) D15.1 ; v1(103.62,63.93) 109.09,63.93 U1.9 ; D12.1 D12.1 ; v1(54.88,54) D13.1
row2R: length 139.4
  Top w0.254: U2.9 144.58,67.42 147.4,64.61 147.4,61.5 153.06,55.85 158.6,55.85 163.19,51.26 D33.1 164.43,47.03 165.05,47.65 170.8,47.65 172.6,45.85 178.56,45.85 D32.1 189.76,49.53 192.58,52.35 197.61,52.35 D31.1 201.29,52.76 205.9,48.15 209.3,48.15 211.1,46.35 216.67,46.35 D30.1 224.11,46.25 236,46.25 239.39,42.86 D29.1
  Bottom w0.254: D29.1 D29.1 ; D31.1 D31.1 ; D33.1 D33.1 ; D30.1 D30.1 ; D32.1 D32.1
row3: length 105.4
  Top w0.254: v1(98.05,52.9) 95.47,50.32 95.47,39.28 101.11,33.64 102.57,33.64 103.08,33.13 v1(103.08,29.72) 103.08,27.77 101.64,26.33 95.88,26.33 95.48,25.93 86.07,25.93 83.97,23.83 v1(83.26,23.83) 74.83,23.83 71.53,27.13 69.82,27.13 68.5,28.45 v1(62.16,28.45)
  Bottom w0.254: U1.10 111.3,63.6 111.3,54.9 109.3,52.9 v1(98.05,52.9) ; v1(62.16,28.45) D16.1 ; D17.1 D17.1 ; v1(103.08,29.72) 101.32,30.74
row3R: length 121.8
  Top w0.254: D36.1 159.9,18.65 162.8,19.2 163.5,23.45 170.5,25.65 D35.1 174.64,28.65 182.6,28.65 184.5,26.75 191.6,26.75 194.01,29.17 D34.1 ; U2.10 144.81,64.88 146.5,63.2 146.5,40.05 151.7,34.85 v1(153.6,34.85)
  Bottom w0.254: D36.1 D36.1 151.89,16.55 153.6,18.25 v1(153.6,34.85) ; D34.1 D34.1 ; D35.1 D35.1
SCK: length 22.8
  Top w0.254: 102.82,56.26 110.99,64.44 110.99,73.46 U1.6
SCKR: length 22.8
  Bottom w0.254: U2.6 141.74,73.46 141.74,64.44 133.57,56.26
Net-(D1-A): length 19.7
  Bottom w0.254: 12.27,69.87 12.95,70.55 D1.2 D1.2 ; 12.27,69.87 12.27,76.33 16.46,80.52 ; 12.27,69.87 12.6,69.55
Net-(D2-A): length 19.7
  Bottom w0.254: D2.2 D2.2 32,82.55 SW2.2 ; 35.51,92.52 31.32,88.33 SW2.2 ; SW2.2 31.65,81.55
Net-(D3-A): length 19.7
  Bottom w0.254: SW3.2 51.05,88.55 D3.2 D3.2 ; SW3.2 50.7,87.55 ; SW3.2 50.37,94.33 54.56,98.52
Net-(D4-A): length 19.7
  Bottom w0.254: SW4.2 69.42,87.83 73.61,92.02 ; SW4.2 70.1,82.05 73.93,82.05 73.93,80.01 ; SW4.2 69.75,81.05
Net-(D5-A): length 19.7
  Bottom w0.254: 92.66,89.52 88.47,85.33 SW5.2 ; 88.8,78.55 SW5.2 ; SW5.2 89.15,79.55 D5.2 D5.2
Net-(D6-A): length 19.7
  Bottom w0.254: 12.27,50.82 12.95,51.5 D6.2 D6.2 ; 12.27,50.82 12.6,50.5 ; 12.27,50.82 12.27,57.28 16.46,61.47
Net-(D7-A): length 19.7
  Bottom w0.254: SW7.2 31.32,69.28 35.51,73.47 ; SW7.2 32,63.5 D7.2 D7.2 ; SW7.2 31.65,62.5
Net-(D8-A): length 19.7
  Bottom w0.254: SW8.2 50.37,75.28 54.56,79.47 ; SW8.2 50.7,68.5 ; SW8.2 51.05,69.5 D8.2 D8.2
Net-(D9-A): length 19.7
  Bottom w0.254: 73.61,72.97 69.42,68.78 SW9.2 ; D9.2 D9.2 70.1,63 SW9.2 ; SW9.2 69.75,62
Net-(D10-A): length 20.7
  Bottom w0.254: D10.2 D10.2 89.15,60.5 SW10.2 ; SW10.2 88.47,66.23 92.72,70.47 SW10.2 ; SW10.2 88.8,59.5 ; 92.83,70 93.3,70.47
Net-(D11-A): length 20.4
  Bottom w0.254: 12.6,31.45 12.27,31.77 ; 12.27,31.77 12.27,38.23 16.46,42.42 ; 12.27,31.77 12.95,32.45 D11.2 D11.2 ; 16.39,42.42 17.1,42.42
Net-(D12-A): length 20.3
  Bottom w0.254: SW12.2 31.32,50.22 35.51,54.41 36.15,54.41 36.15,54.41 36.18,54.38 ; SW12.2 31.65,43.44 ; SW12.2 32,44.44 D12.2 D12.2
Net-(D13-A): length 19.7
  Bottom w0.254: SW13.2 51.05,50.45 D13.2 D13.2 ; SW13.2 50.7,49.45 ; SW13.2 50.37,56.23 54.56,60.42
Net-(D14-A): length 19.7
  Bottom w0.254: SW14.2 69.42,49.73 73.61,53.92 ; SW14.2 70.1,43.95 D14.2 D14.2 ; SW14.2 69.75,42.95
Net-(D15-A): length 19.7
  Bottom w0.254: 92.66,51.42 88.47,47.23 SW15.2 ; 88.8,40.45 SW15.2 ; SW15.2 89.15,41.45 D15.2 D15.2
Net-(D16-A): length 19.7
  Bottom w0.254: SW16.2 58.33,24.9 D16.2 D16.2 ; SW16.2 57.66,30.68 61.85,34.87 ; SW16.2 57.98,23.9
Net-(D17-A): length 19.1
  Bottom w0.254: D17.2 D17.2 78.08,20.43 SW17.2 79.46,26.95 84.6,29.92
Net-(D18-A): length 19.5
  Bottom w0.254: 97.38,32.12 98.91,26.39 SW18.2 D18.2 D18.2
Net-(D19-A): length 19.2
  Bottom w0.254: D19.2 D19.2 235.56,70.55 SW19.2 234.89,76.33 239.08,80.52
Net-(D20-A): length 20
  Bottom w0.254: 220.03,92.52 215.84,88.33 SW20.2 218.34,84.38 D20.2 D20.2
Net-(D21-A): length 19.2
  Bottom w0.254: 200.98,98.52 196.79,94.33 SW21.2 197.46,88.55 D21.2 D21.2
Net-(D22-A): length 19.2
  Bottom w0.254: D22.2 D22.2 178.41,82.05 SW22.2 177.74,87.83 181.93,92.02
Net-(D23-A): length 17.7
  Bottom w0.254: D23.2 D23.2 160.68,76.88 SW23.2 158.69,85.33 162.88,89.52
Net-(D24-A): length 19.2
  Bottom w0.254: 239.08,61.47 234.89,57.28 SW24.2 235.56,51.5 D24.2 D24.2
Net-(D25-A): length 20
  Bottom w0.254: D25.2 D25.2 218.34,65.33 SW25.2 215.84,69.28 220.03,73.47
Net-(D26-A): length 19.2
  Bottom w0.254: D26.2 D26.2 197.46,69.5 SW26.2 196.79,75.28 200.98,79.47
Net-(D27-A): length 19.2
  Bottom w0.254: 181.93,72.97 177.74,68.78 SW27.2 178.41,63 D27.2 D27.2
Net-(D28-A): length 19.2
  Bottom w0.254: 162.88,70.47 158.69,66.28 SW28.2 159.36,60.5 D28.2 D28.2
Net-(D29-A): length 19.2
  Bottom w0.254: 239.08,42.42 234.89,38.23 SW29.2 235.56,32.45 D29.2 D29.2
Net-(D30-A): length 19.2
  Bottom w0.254: 215.84,43.77 215.84,50.23 220.03,54.42 ; SW30.2 216.51,44.44 D30.2 D30.2
Net-(D31-A): length 19.2
  Bottom w0.254: D31.2 D31.2 197.46,50.45 SW31.2 196.79,56.23 200.98,60.42
Net-(D32-A): length 19.2
  Bottom w0.254: 181.93,53.92 177.74,49.73 SW32.2 178.41,43.95 D32.2 D32.2
Net-(D33-A): length 19.2
  Bottom w0.254: 162.88,51.42 158.69,47.23 SW33.2 159.36,41.45 D33.2 D33.2
Net-(D34-A): length 19.2
  Bottom w0.254: D34.2 D34.2 190.18,24.9 SW34.2 189.5,30.68 193.7,34.87
Net-(D35-A): length 20
  Bottom w0.254: D35.2 D35.2 SW35.2 ; 170.43,33.71 167.46,28.57 169.13,22.34
Net-(D36-A): length 20.3
  Bottom w0.254: 150.82,19.23 145.09,20.77 139.5,17.54 ; D36.2 D36.2 SW36.2

## Copper pours and planes (outline as drawn; the poured copper is in the pictures)
GND on Top, Bottom: 113.82,93.43 116.1,92.18 116.1,41.78 112,27.8 100.22,6.78 96,6.2 81.3,15.4 61.5,19.78 44.9,20.2 36.47,40.13 32.07,40.3 24.3,40.3 18.82,40.08 18.85,30.4 18.12,27.85 12.25,28.25 10.67,28.3 5.15,28.3 -0.15,28.35 -1.6,31.98 -0.98,86.68 18.95,97.48 26.42,97.25 34.3,97.25 38.07,103.3 49.85,103.63 56.57,102.98 57.27,97.1 64.87,96.75 72.12,96.75
GNDR on Top, Bottom: 126.85,93.43 124.57,92.18 124.57,41.78 128.67,27.8 140.45,6.78 144.67,6.2 159.37,15.4 179.17,19.78 195.77,20.2 204.2,40.13 208.6,40.3 216.37,40.3 221.85,40.08 221.82,30.4 222.55,27.85 228.42,28.25 230,28.3 235.52,28.3 240.82,28.35 242.27,31.98 241.65,86.68 221.72,97.48 214.25,97.25 206.37,97.25 202.6,103.3 190.82,103.63 184.1,102.98 183.4,97.1 175.8,96.75 168.55,96.75

## Text on the board
B.Silkscreen: https://github.com/klouderone/kiwi-split | V1.2 | Designed by / Kea Workshop | THE KIWI
F.Silkscreen: JLCJLCJLCJLC | GND | VCC | CS/TX | RX | SDA
